# Allegro board 1010260-900-0012_PCB_Rev-a.brd (continued)
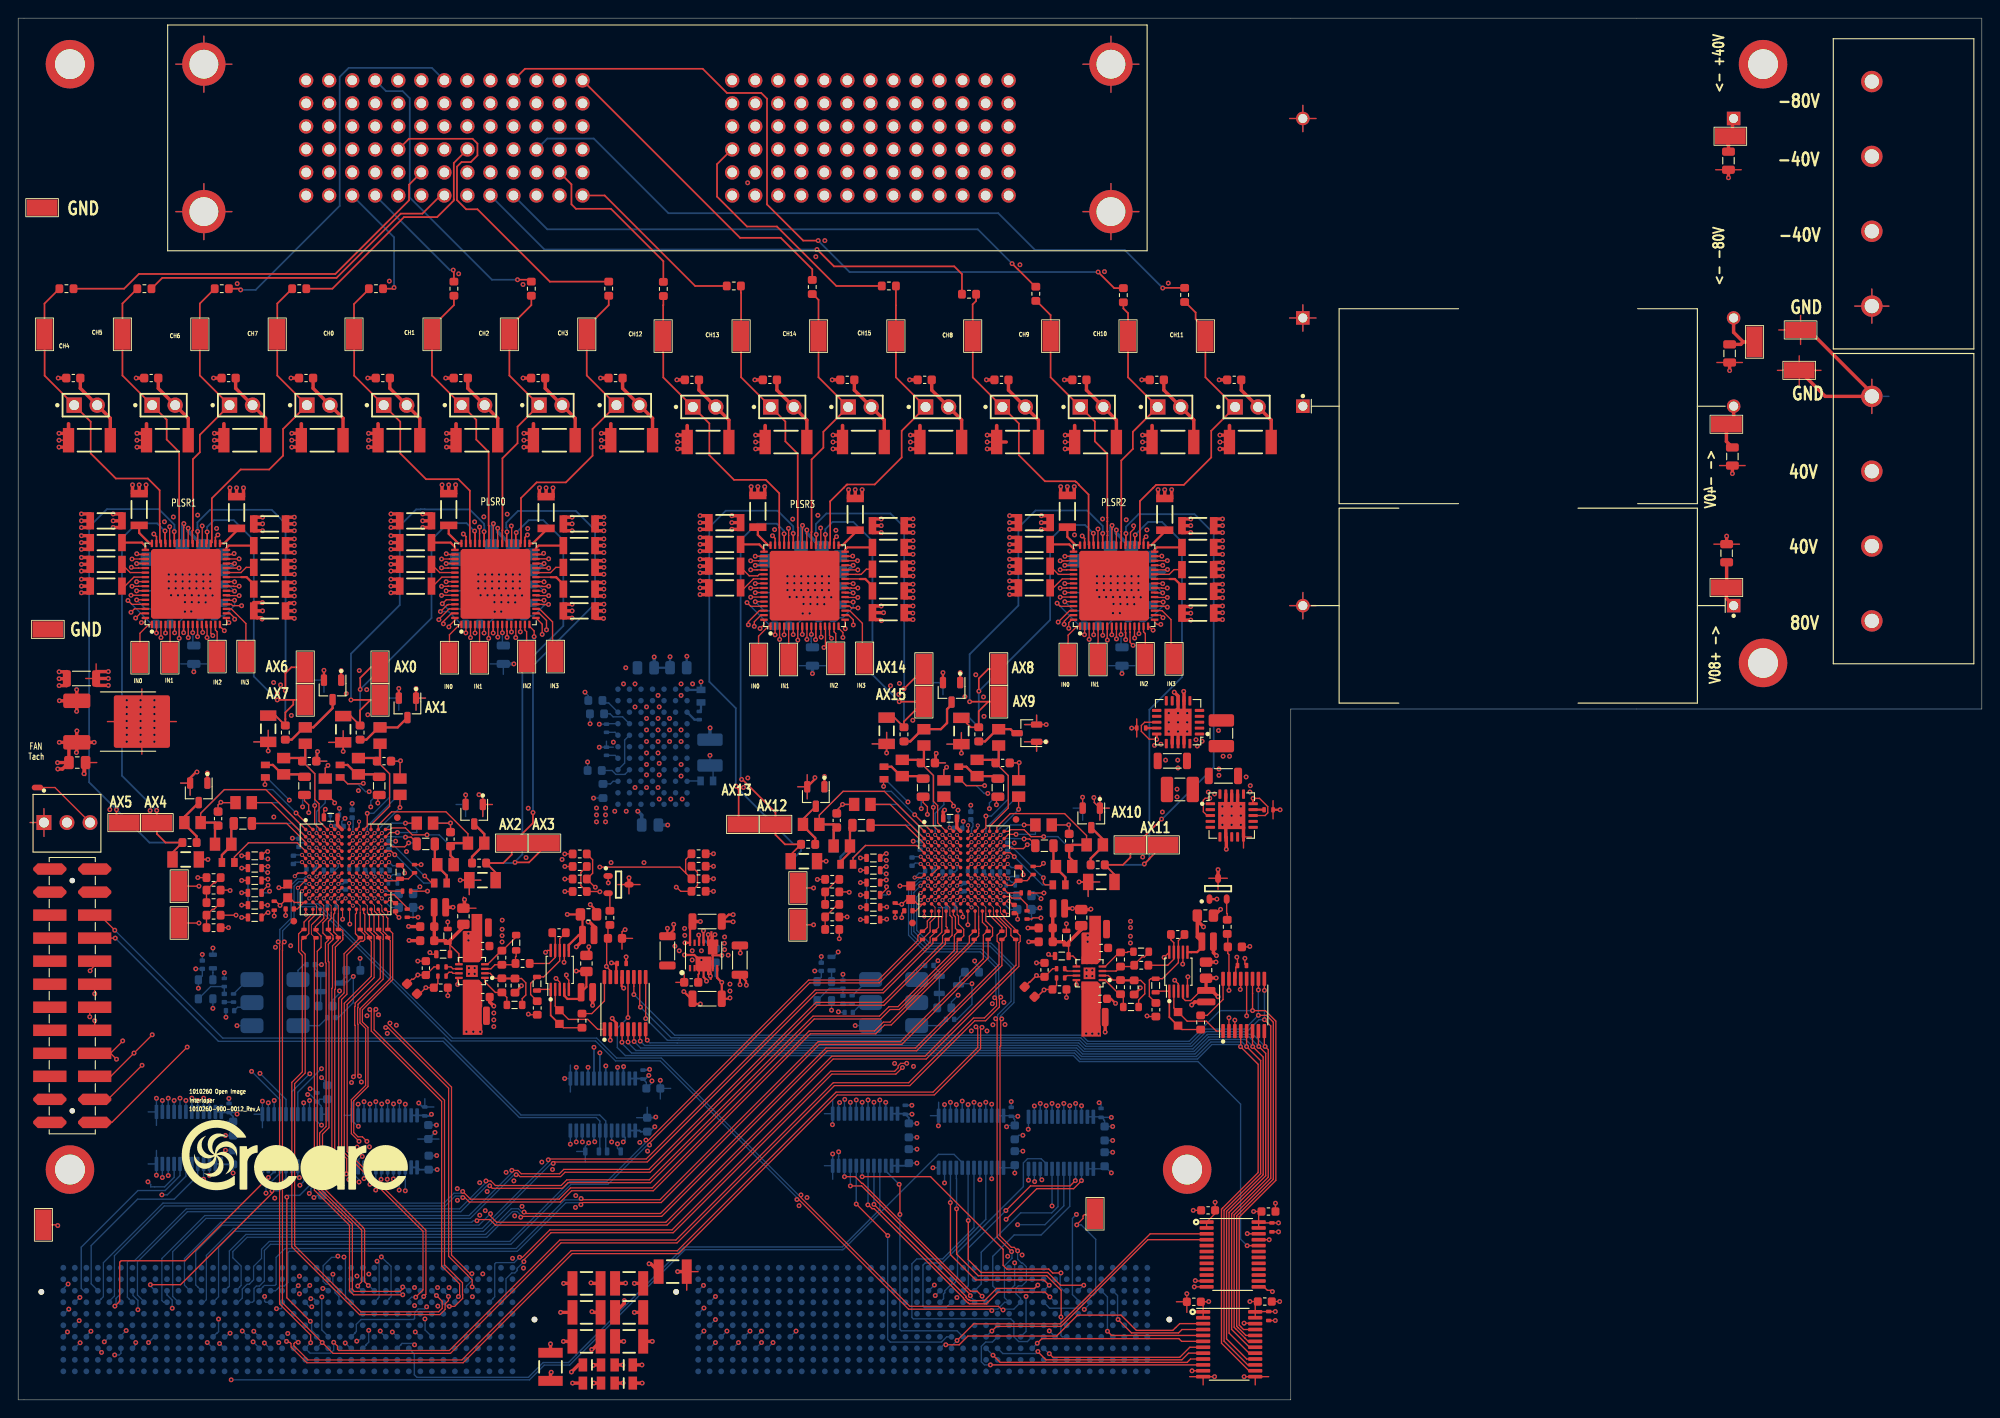
[diagram p0: board, top side]
## Footprints (pads in the part's own frame, mm; a bottom-side part is the same pattern mirrored in y, then rotated) (continued)
SAMTEC_TSM-112-02-L-DV-LC
  round 0.595 hole 1.19 unplated: (-12.7,0) (12.7,0)
  rrect 1.27x3.68 smd: 1(13.97,2.475) 2(13.97,-2.475) 3(11.43,2.475) 4(11.43,-2.475) 21(-11.43,2.475) 22(-11.43,-2.475) 23(-13.97,2.475) 24(-13.97,-2.475)
  rect 1.27x3.68 smd: 5(8.89,2.475) 6(8.89,-2.475) 7(6.35,2.475) 8(6.35,-2.475) 9(3.81,2.475) 10(3.81,-2.475) 11(1.27,2.475) 12(1.27,-2.475) 13(-1.27,2.475) 14(-1.27,-2.475) 15(-3.81,2.475) 16(-3.81,-2.475) 17(-6.35,2.475) 18(-6.35,-2.475) 19(-8.89,2.475) 20(-8.89,-2.475)
SOP10P50_300X490X110L55X22N
  rrect 0.28x1.47 smd: 1(-1,-2.15) 2(-0.5,-2.15) 3(0,-2.15) 4(0.5,-2.15) 5(1,-2.15) 6(1,2.15) 7(0.5,2.15) 8(0,2.15) 9(-0.5,2.15) 10(-1,2.15)
SOP16P65_500X640X120L60X24N
  rrect 0.41x1.56 smd: 1(-2.275,-2.88) 2(-1.625,-2.88) 3(-0.975,-2.88) 4(-0.325,-2.88) 5(0.325,-2.88) 6(0.975,-2.88) 7(1.625,-2.88) 8(2.275,-2.88) 9(2.275,2.88) 10(1.625,2.88) 11(0.975,2.88) 12(0.325,2.88) 13(-0.325,2.88) 14(-0.975,2.88) 15(-1.625,2.88) 16(-2.275,2.88)
SOP24P65_780X640X120L62X24N
  rrect 0.41x1.57 smd: 1(-3.575,-2.87) 2(-2.925,-2.87) 3(-2.275,-2.87) 4(-1.625,-2.87) 5(-0.975,-2.87) 6(-0.325,-2.87) 7(0.325,-2.87) 8(0.975,-2.87) 9(1.625,-2.87) 10(2.275,-2.87) 11(2.925,-2.87) 12(3.575,-2.87) 13(3.575,2.87) 14(2.925,2.87) 15(2.275,2.87) 16(1.625,2.87) 17(0.975,2.87) 18(0.325,2.87) 19(-0.325,2.87) 20(-0.975,2.87) 21(-1.625,2.87) 22(-2.275,2.87) 23(-2.925,2.87) 24(-3.575,2.87)
SOT23-3P95_237X111L42X43N
  rrect 0.6x1.23 smd: 1(-0.95,-1.06) 2(0.95,-1.06) 3(0,1.06)
SOT23-3P95_240X120L25X48N
  rrect 0.69x1.26 smd: 1(-0.95,-1.075) 2(0.95,-1.075) 3(0,1.075)
SOT95P237X112-3N
  oval 1.05x0.65 smd: 1(-1.15,0.95) 2(-1.15,-0.95) 3(1.15,0)
SULLINS_PBC02SAAN
  rect 1.7x1.7 hole 1.1: 1(0,0)
  round 1.7 hole 1.1: 2(2.54,0)
TE_1546927-4
  round 2.37 hole 1.58: 1(-12.383,3.497) 2(-4.128,3.497) 3(4.128,3.497) 4(12.383,3.497)
TO229P990X238-3_4N
  rrect 1.6x3 smd: 1(-2.29,-4.39) 3(2.29,-4.39)
  rrect 5.8x6.2 smd: 4(0,2.79)
TP340X180N
  rect 3.4x1.8 smd: 1(0,0)
TP_B127X64
  oval 1.27x0.64 smd: 1(0,0)

## Nets
1.8V: C5.1 C6.1 C7.2 C9.2 C13.2 C15.2 C21.1 C22.1 C23.2 C25.2 C29.2 C67.1 C68.2 C69.2 C124.1 C125.2 C126.2 C279.2 C284.2 E1.2 E2.2 J2.E39 J2.F40 J2.G39 J2.H40 J3.E39 J3.F40 J3.G39 J3.H40 R44.1 R61.2 R123.1 R140.2 U1.1 U1.2 U2.1 U2.2 U3.1 U3.2 U4.1 U4.2 U5.1 U5.2 U6.1 U6.2 U7.1 U7.2 U8.1 U8.2 U9.1 U9.2 U10.G4 U10.G11 U23.G4 U23.G11
1.8VA: C73.1 C74.2 C75.2 C76.2 C77.2 C131.1 C132.2 C133.2 C134.2 C135.2 C227.1 U10.F1 U10.F3 U10.F5 U10.F8 U10.F10 U10.F12 U10.G2 U10.G9 U20.1 U23.F1 U23.F3 U23.F5 U23.F8 U23.F10 U23.F12 U23.G2 U23.G9 U33.1 U41.1 U41.3(SENSE) U41.20
3.3V: C3.1 C4.1 C8.1 C10.1 C11.1 C12.1 C14.1 C16.1 C19.1 C20.1 C24.1 C26.1 C27.1 C28.1 C30.1 C83.2 C142.2 C150.2 C172.2 C191.2 C230.1 C237.1 C252.2 C265.2 C266.2 C280.1 C281.1 C282.1 C283.1 C285.1 C286.1 C287.1 J2.C39 J2.D32 J2.D36 J2.D38 J2.D40 J3.C39 J3.D32 J3.D36 J3.D38 J3.D40 R67.1 R145.1 U1.23 U1.24(V_CCB#24) U2.23 U2.24(V_CCB#24) U3.23 U3.24(V_CCB#24) U4.23 U4.24(V_CCB#24) U5.23 U5.24(V_CCB#24) U6.23 U6.24(V_CCB#24) U7.23 U7.24(V_CCB#24) U8.23 U8.24(V_CCB#24) U9.23 U9.24(V_CCB#24) U21.14 U34.14 U36.10 U37.10 U38.10 U39.10 U41.13 U41.15 U41.16 U44.13 U44.15 U44.16 Y1.4(VCC) Y2.4(VCC)
3VA: C63.2 C78.1 C79.2 C80.2 C81.2 C121.2 C138.1 C139.2 C140.2 C141.2 C235.1 U10.E2 U10.E3 U10.E4 U10.E9 U10.E10 U10.E11 U10.J6 U10.K6 U23.E2 U23.E3 U23.E4 U23.E9 U23.E10 U23.E11 U23.J6 U23.K6 U44.1 U44.3(SENSE) U44.20
5V: C147.2 C151.2 C185.2 C204.2 C229.1 R161.1 R162.1 R165.1 R166.1 U36.21 U36.60 U37.21 U37.60 U38.21 U38.60 U39.21 U39.60 U42.3(VOUT)
5VA: C136.1 C137.1 C239.1 C240.1 C243.1 C268.1 C269.1 C270.1 C273.1 C274.1 U11.5 U11.6 U11.7 U11.8 U11.12 U19.5 U19.6 U19.7 U19.8 U19.12 U22.5 U22.6 U22.10 U35.5 U35.6 U35.10 U43.1
10V: C152.2 C171.2 C190.2 C225.1 C234.1 C251.2 R192.2 U36.23 U37.23 U38.23 U39.23 U40.A1 U40.A2 U40.B1 U40.B2 U43.10 U43.12(S\H\D\N\P\) U43.14
12V: C1.1 C2.1 C17.1 C18.1 C223.1 C224.1 C228.1 J2.C35 J2.C37 J3.C35 J3.C37 J23.2 U40.A5 U40.A6 U40.A7 U40.B7 U40.K7 U40.L5 U40.L6 U40.L7 U42.1
40V: C149.1 C154.1 C156.2 C158.2 C164.2 C174.2 C187.1 C189.2 C193.2 C206.1 C246.1 C250.2 C254.2 J21.2 J21.3 R205.2 TP61.1(TP) U36.34 U36.47 U37.34 U37.47 U38.34 U38.47 U39.34 U39.47
80V: C148.1 C153.1 C155.2 C157.2 C162.2 C173.2 C186.1 C188.2 C192.2 C205.1 C247.1 C248.2 C253.2 J21.1 R204.2 TP62.1(TP) U36.24 U36.25 U36.56 U36.57 U37.24 U37.25 U37.56 U37.57 U38.24 U38.25 U38.56 U38.57 U39.24 U39.25 U39.56 U39.57
-5VA: C232.2 C233.2 C241.1 C267.1 C271.1 C272.1 C275.1 C276.1 C278.1 C292.1 U11.13 U11.14 U11.15 U11.16 U19.13 U19.14 U19.15 U19.16 U22.4 U35.4 U43.7
-10V: C160.2 C179.2 C198.2 C226.2 C236.2 C259.2 R193.2 U36.58 U37.58 U38.58 U39.58 U40.G1 U40.G2 U40.H1 U40.H2 U40.J2 U43.6 U43.9
-40V: C168.2 C169.2 C170.2 C178.2 C182.2 C184.2 C197.2 C201.2 C203.2 C245.2 C258.2 C262.2 C264.2 J22.2 J22.3 R206.2 TP60.1(TP) U36.31 U36.50 U37.31 U37.50 U38.31 U38.50 U39.31 U39.50
-80V: C163.2 C165.2 C166.2 C167.2 C177.2 C180.2 C181.2 C183.2 C196.2 C199.2 C200.2 C202.2 C249.2 C257.2 C260.2 C261.2 C263.2 J22.4 R207.2 TP59.1(TP) U36.28 U36.29 U36.30 U36.51 U36.52 U36.53 U37.28 U37.29 U37.30 U37.51 U37.52 U37.53 U38.28 U38.29 U38.30 U38.51 U38.52 U38.53 U39.28 U39.29 U39.30 U39.51 U39.52 U39.53
GND_SIGNAL: C1.2 C2.2 C3.2 C4.2 C5.2 C6.2 C7.1 C8.2 C9.1 C10.2 C11.2 C12.2 C13.1 C14.2 C15.1 C16.2 C17.2 C18.2 C19.2 C20.2 C21.2 C22.2 C23.1 C24.2 C25.1 C26.2 C27.2 C28.2 C29.1 C30.2 C33.1 C34.1 C36.1 C38.1 C41.1 C42.1 C44.1 C46.1 C50.1 C51.1 C53.1 C54.1 C57.1 C59.1 C61.1 C62.1 C64.1 C65.1 C66.2 C67.2 C68.1 C69.1 C70.1 C71.2 C73.2 C74.1 C75.1 C76.1 C77.1 C78.2 C79.1 C80.1 C81.1 C83.1 C85.2 C87.2 C88.1 C91.1 C92.1 C94.1 C96.1 C99.1 C100.1 C102.1 C104.1 C108.1 C109.1 C111.1 C112.1 C115.1 C117.1 C119.1 C120.1 C122.1 C123.2 C124.2 C125.1 C126.1 C127.2 C129.1 C130.1 C131.2 C132.1 C133.1 C134.1 C135.1 C136.2 C137.2 C138.2 C139.1 C140.1 C141.1 C142.1 C145.2 C147.1 C148.2 C149.2 C150.1 C151.1 C152.1 C153.2 C154.2 C159.1 C160.1 C161.1 C163.1 C167.1 C170.1 C171.1 C172.1 C175.1 C176.1 C179.1 C180.1 C183.1 C184.1 C185.1 C186.2 C187.2 C190.1 C191.1 C194.1 C195.1 C198.1 C199.1 C202.1 C203.1 C204.1 C205.2 C206.2 C207.2 C208.2 C209.2 C210.2 C211.2 C212.2 C213.2 C214.2 C215.2 C216.2 C217.2 C218.2 C219.2 C220.2 C221.2 C222.2 C223.2 C224.2 C225.2 C226.1 C227.2 C228.2 C229.2 C230.2 C231.2 C233.1 C234.2 C235.2 C236.1 C237.2 C238.2 C240.2 C241.2 C242.2 C243.2 C244.1 C245.1 C246.2 C247.2 C249.1 C251.1 C252.1 C255.1 C256.1 C259.1 C260.1 C263.1 C264.1 C265.1 C266.1 C267.2 C268.2 C269.2 C270.2 C271.2 C272.2 C273.2 C274.2 C275.2 C276.2 C277.2 C278.2 C279.1 C280.2 C281.2 C282.2 C283.2 C284.1 C285.2 C286.2 C287.2 C292.2 C293.2 C294.1 C295.1 C296.2 C297.2 C298.1 C299.1 C302.1 C303.1 D3.1 D3.2(C2) D4.1 D4.2(C2) D5.1 D5.2(C2) D6.1 D6.2(C2) D7.1 D7.2(C2) D8.1 D8.2(C2) D9.1 D9.2(C2) D10.1 D10.2(C2) D11.1 D11.2(C2) D12.1 D12.2(C2) D13.1 D13.2(C2) D14.1 D14.2(C2) D15.1 D15.2(C2) D16.1 D16.2(C2) D17.1 D17.2(C2) D18.1 D18.2(C2) J2.C34 J2.D35 J3.C34 J3.D35 J4.AA1 J4.AA6 J4.C3 J4.F1 J4.F6 J4.J3 J4.M1 J4.M6 J4.MT1 J4.MT2 J4.MT3 J4.MT4 J4.R3 J4.U1 J4.U6 J4.X3 J21.4 J22.1 J23.1 MTG1.1(TP) MTG2.1(TP) MTG3.1(TP) MTG4.1(TP) MTG5.1(TP) R6.1 R7.1 R14.1 R16.1 R24.1 R25.1 R34.1 R35.1 R45.1 R56.1 R58.1 R59.1 R68.1 R69.1 R70.1 R72.1 R73.1 R74.1 R75.1 R76.1 R77.1 R78.1 R79.1 R85.1 R86.1 R93.1 R95.1 R103.1 R104.1 R113.1 R114.1 R124.1 R134.1 R136.1 R137.1 R138.1 R139.1 R147.1 R148.1 R149.1 R151.1 R152.1 R153.1 R154.1 R155.1 R156.1 R157.1 R158.1 R159.1 R160.1 R163.1 R164.1 R171.1 R172.1 R173.1 R174.1 R179.1 R180.1 R181.1 R182.1 R187.1 R188.1 R189.1 R190.1 R194.1 R195.1 R200.1 R201.1 R202.1 R203.1 R204.1 R205.1 R206.1 R207.1 R208.1 R209.1 R210.2 R211.2 R212.1 R213.1 T1.1 T2.1 TP55.1(TP) TP56.1(TP) TP57.1(TP) TP58.1(TP) U1.11 U1.12 U1.13 U1.22 U2.11 U2.12 U2.13 U2.22 U3.11 U3.12 U3.13 U3.22 U4.11 U4.12 U4.13 U4.22 U5.11 U5.12 U5.13 U5.22 U6.11 U6.12 U6.13 U6.22 U7.11 U7.12 U7.13 U7.22 U8.11 U8.12 U8.13 U8.22 U9.11 U9.12 U9.13 U9.22 U10.B5 U10.B6 U10.B8 U10.C5 U10.C6 U10.C7 U10.C8 U10.D5 U10.D6 U10.D7 U10.D8 U10.E1 U10.E5 U10.E6 U10.E7 U10.E8 U10.E12 U10.F2 U10.F4 U10.F6 U10.F7 U10.F9 U10.F11 U10.G1 U10.G3 U10.G5 U10.G6 U10.G7 U10.G8 U10.G10 U10.G12 U10.H3 U10.H4 U10.H5 U10.H6 U10.J4 U10.K1 U10.K2 U10.K4 U10.M1 U10.M12 U11.17 U19.17 U20.3 U21.2 U21.3 U21.13 U22.3 U22.7 U23.B5 U23.B6 U23.B8 U23.C5 U23.C6 U23.C7 U23.C8 U23.D5 U23.D6 U23.D7 U23.D8 U23.E1 U23.E5 U23.E6 U23.E7 U23.E8 U23.E12 U23.F2 U23.F4 U23.F6 U23.F7 U23.F9 U23.F11 U23.G1 U23.G3 U23.G5 U23.G6 U23.G7 U23.G8 U23.G10 U23.G12 U23.H3 U23.H4 U23.H5 U23.H6 U23.J4 U23.K1 U23.K2 U23.K4 U23.M1 U23.M12 U33.3 U34.2 U34.3 U34.13 U35.3 U35.7 U36.9 U36.22 U36.37 U36.44 U36.59 U36.65(V_SUB) U37.9 U37.22 U37.37 U37.44 U37.59 U37.65(V_SUB) U38.9 U38.22 U38.37 U38.44 U38.59 U38.65(V_SUB) U39.9 U39.22 U39.37 U39.44 U39.59 U39.65(V_SUB) U40.A3 U40.A4 U40.B3 U40.B4 U40.B5 U40.B6 U40.C2 U40.C3 U40.C4 U40.C5 U40.C6 U40.D1 U40.D2 U40.D3 U40.D4 U40.D5 U40.D7 U40.E1 U40.E2 U40.E3 U40.E4 U40.E5 U40.F1 U40.F2 U40.F5 U40.F6 U40.F7 U40.G3 U40.G4 U40.G5 U40.H3 U40.H4 U40.H5 U40.J3 U40.J4 U40.J5 U40.J6 U40.K1 U40.K2 U40.K3 U40.K4 U40.K5 U40.K6 U40.L1 U40.L2(V_OUT2P#L2) U40.L3 U40.L4 U41.7 U41.10 U41.17 U41.18 U41.19 U41.21 U42.4 U43.4 U43.5 U44.7 U44.8 U44.17 U44.18 U44.19 U44.21 Y1.2 Y2.2
AFE0_CSN: J1.22 R142.2
AFE0_DATA0N: J3.G16 R1.2 U10.M11
AFE0_DATA0P: J3.G15 R1.1 U10.L11
AFE0_DATA1N: J3.G13 R8.2 U10.M10
AFE0_DATA1P: J3.G12 R8.1 U10.L10
AFE0_DATA2N: J3.G10 R13.2 U10.M9
AFE0_DATA2P: J3.G9 R13.1 U10.L9
AFE0_DATA3N: J3.H20 R18.2 U10.M8
AFE0_DATA3P: J3.H19 R18.1 U10.L8
AFE0_DATA4N: J3.H17 R23.2 U10.M5
AFE0_DATA4P: J3.H16 R23.1 U10.L5
AFE0_DATA5N: J3.H14 R28.2 U10.M4
AFE0_DATA5P: J3.H13 R28.1 U10.L4
AFE0_DATA6N: J3.H11 R33.2 U10.M3
AFE0_DATA6P: J3.H10 R33.1 U10.L3
AFE0_DATA7N: J3.H8 R38.1 U10.L2
AFE0_DATA7P: J3.H7 R38.2 U10.M2
AFE0_DCON: J3.H5 U10.M6
AFE0_DCOP: J3.H4 U10.L6
AFE0_FCON: J3.G7 U10.M7
AFE0_FCOP: J3.G6 U10.L7
AFE1_CSN: J1.24 R63.2
AFE1_DATA0N: J3.H29 R80.1 U23.L11
AFE1_DATA0P: J3.H28 R80.2 U23.M11
AFE1_DATA1N: J3.H26 R87.2 U23.M10
AFE1_DATA1P: J3.H25 R87.1 U23.L10
AFE1_DATA2N: J3.H23 R92.2 U23.M9
AFE1_DATA2P: J3.H22 R92.1 U23.L9
AFE1_DATA3N: J3.G37 R97.2 U23.M8
AFE1_DATA3P: J3.G36 R97.1 U23.L8
AFE1_DATA4N: J3.G34 R102.2 U23.M5
AFE1_DATA4P: J3.G33 R102.1 U23.L5
AFE1_DATA5N: J3.G31 R107.2 U23.M4
AFE1_DATA5P: J3.G30 R107.1 U23.L4
AFE1_DATA6N: J3.G28 R112.2 U23.M3
AFE1_DATA6P: J3.G27 R112.1 U23.L3
AFE1_DATA7N: J3.G25 R117.2 U23.M2
AFE1_DATA7P: J3.G24 R117.1 U23.L2
AFE1_DCON: J3.G3 U23.M6
AFE1_DCOP: J3.G2 U23.L6
AFE1_FCON: J3.D21 U23.M7
AFE1_FCOP: J3.D20 U23.L7
AFE_CLKN: J2.G13 U10.H1 U23.H1
AFE_CLKP: J2.G12 U10.J1 U23.J1
AFE_SCK: J1.20 R65.2 R144.2
AFE_SDIO: J1.18 R66.2 R146.2
AFE_TRIGN: J3.C19 U10.H2(TX_TRIG-) U23.H2(TX_TRIG-)
AFE_TRIGP: J3.C18 U10.J2 U23.J2
AX0: R2.1 R6.2 TP3.1(TP) U37.45
AX1: R11.1 R16.2 TP5.1(TP) U37.43
AX2: R20.1 R24.2 TP7.1(TP) U37.38
AX3: R29.1 R34.2 TP9.1(TP) U37.36
AX4: R3.1 R7.2 TP4.1(TP) U36.45
AX5: R12.1 R14.2 TP6.1(TP) U36.43
AX6: R21.1 R25.2 TP8.1(TP) U36.38
AX7: R30.1 R35.2 TP10.1(TP) U36.36
AX8: R81.1 R85.2 TP13.1(TP) U38.45
AX9: R90.1 R95.2 TP15.1(TP) U38.43
AX10: R99.1 R103.2 TP17.1(TP) U38.38
AX11: R108.1 R113.2 TP19.1(TP) U38.36
AX12: R82.1 R86.2 TP14.1(TP) U39.45
AX13: R91.1 R93.2 TP16.1(TP) U39.43
AX14: R100.1 R104.2 TP18.1(TP) U39.38
AX15: R109.1 R114.2 TP20.1(TP) U39.36
CH0: J4.C1 R167.2
CH1: J4.D1 R168.2
CH2: J4.D6 R169.2
CH3: J4.E3 R170.2
CH4: J4.F2 R175.2
CH5: J4.G1 R176.2
CH6: J4.G6 R177.2
CH7: J4.H3 R178.2
CH8: J4.J1 R183.2
CH9: J4.K1 R184.2
CH10: J4.K6 R185.2
CH11: J4.L3 R186.2
CH12: J4.M2 R196.2
CH13: J4.N1 R197.2
CH14: J4.N6 R198.2
CH15: J4.P3 R199.2
DAC0_CSN: J2.D15 U1.4
DAC0_CSN_3V3: U1.20 U21.12
DAC1_CSN: J2.C18 U1.3
DAC1_CSN_3V3: U1.21 U34.12
DAC_D0: J2.C19 U2.3
DAC_D0_3V3: U2.21 U21.11 U34.11
DAC_D1: J2.H4 U2.4
DAC_D1_3V3: U2.20 U21.10 U34.10
DAC_D2: J2.H5 U2.5
DAC_D2_3V3: U2.19 U21.9 U34.9
DAC_D3: J2.C11 U2.6
DAC_D3_3V3: U2.18 U21.8 U34.8
DAC_D4: J2.C10 U2.7
DAC_D4_3V3: U2.17 U21.7 U34.7
DAC_D5: J2.C14 U2.8
DAC_D5_3V3: U2.16 U21.6 U34.6
DAC_D6: J2.C15 U2.9
DAC_D6_3V3: U2.15 U21.5 U34.5
DAC_D7: J2.D14 U2.10
DAC_D7_3V3: U2.14 U21.4 U34.4
FAN_FREQ: J23.3 TP63.1(TP)
LI-A0: C31.2 C34.2 C35.1 U10.A9
LI-A1: C89.2 C92.2 C93.1 U23.A9
LI-B0: C39.2 C42.2 C43.1 U10.A10
LI-B1: C97.2 C100.2 C101.1 U23.A10
LI-C0: C47.2 C51.2 C52.1 U10.A11
LI-C1: C105.2 C109.2 C110.1 U23.A11
LI-D0: C55.2 C57.2 C58.1 U10.A12
LI-D1: C113.2 C115.2 C116.1 U23.A12
LI-E0: C32.2 C36.2 C37.1 U10.A1
LI-E1: C90.2 C94.2 C95.1 U23.A1
LI-F0: C40.2 C44.2 C45.1 U10.A2
LI-F1: C98.2 C102.2 C103.1 U23.A2
LI-G0: C48.2 C49.1 C53.2 U10.A3
LI-G1: C106.2 C107.1 C111.2 U23.A3
LI-H0: C56.2 C59.2 C60.1 U10.A4
LI-H1: C114.2 C117.2 C118.1 U23.A4
LO-A0: C35.2 R4.1 R5.1
LO-A1: C93.2 R83.1 R84.1
LO-B0: C43.2 R9.1 R10.1
LO-B1: C101.2 R88.1 R89.1
LO-C0: C52.2 R15.1 R17.1
LO-C1: C110.2 R94.1 R96.1
LO-D0: C58.2 R19.1 R22.1
LO-D1: C116.2 R98.1 R101.1
LO-E0: C37.2 R26.1 R27.1
LO-E1: C95.2 R105.1 R106.1
LO-F0: C45.2 R31.1 R32.1
LO-F1: C103.2 R110.1 R111.1
LO-G0: C49.2 R36.1 R37.1
LO-G1: C107.2 R115.1 R116.1
LO-H0: C60.2 R39.1 R40.1
LO-H1: C118.2 R118.1 R119.1
PLSR0_CLK: J3.G21 U9.8
PLSR0_CLK_3V3: U9.16 U37.8
PLSR0_NEG0: J3.D11 U7.5
PLSR0_NEG0_3V3: U7.19 U37.63
PLSR0_NEG1: J3.D8 U8.10
PLSR0_NEG1_3V3: U8.14 U37.3
PLSR0_NEG2: J3.C15 U8.7
PLSR0_NEG2_3V3: U8.17 U37.13
PLSR0_NEG3: J3.C14 U8.4
PLSR0_NEG3_3V3: U8.20 U37.17
PLSR0_OTPN: J1.10 U37.20
PLSR0_POS0: J3.D18 U7.4
PLSR0_POS0_3V3: U7.20 U37.64
PLSR0_POS1: J3.D17 U8.9
PLSR0_POS1_3V3: U8.15 U37.4
PLSR0_POS2: J3.D15 U8.6
PLSR0_POS2_3V3: U8.18 U37.14
PLSR0_POS3: J3.D12 U8.3
PLSR0_POS3_3V3: U8.21 U37.18
PLSR0_SEL0: J3.D9 U7.6
PLSR0_SEL0_3V3: U7.18 U37.62
PLSR0_SEL1: J3.D14 U7.3
PLSR0_SEL1_3V3: U7.21 U37.2
PLSR0_SEL2: J3.G19 U8.8
PLSR0_SEL2_3V3: U8.16 U37.12
PLSR0_SEL3: J3.G18 U8.5
PLSR0_SEL3_3V3: U8.19 U37.16
PLSR1_CLK: J3.D26 U9.10
PLSR1_CLK_3V3: U9.14 U36.8
PLSR1_NEG0: J3.H31 U6.9
PLSR1_NEG0_3V3: U6.15 U36.63
PLSR1_NEG1: J3.C26 U6.6
PLSR1_NEG1_3V3: U6.18 U36.3
PLSR1_NEG2: J3.C23 U6.3
PLSR1_NEG2_3V3: U6.21 U36.13
PLSR1_NEG3: J3.C22 U7.9
PLSR1_NEG3_3V3: U7.15 U36.17
PLSR1_OTPN: J1.12 U36.20
PLSR1_POS0: J3.H38 U6.8
PLSR1_POS0_3V3: U6.16 U36.64
PLSR1_POS1: J3.H37 U6.5
PLSR1_POS1_3V3: U6.19 U36.4
PLSR1_POS2: J3.H35 U7.10
PLSR1_POS2_3V3: U7.14 U36.14
PLSR1_POS3: J3.H32 U7.7
PLSR1_POS3_3V3: U7.17 U36.18
PLSR1_SEL0: J3.C27 U6.10
PLSR1_SEL0_3V3: U6.14 U36.62
PLSR1_SEL1: J3.H34 U6.7
PLSR1_SEL1_3V3: U6.17 U36.2
PLSR1_SEL2: J3.D24 U6.4
PLSR1_SEL2_3V3: U6.20 U36.12
PLSR1_SEL3: J3.D23 U7.8
PLSR1_SEL3_3V3: U7.16 U36.16
PLSR2_CLK: J2.D9 U9.3
PLSR2_CLK_3V3: U9.21 U38.8
PLSR2_NEG0: J2.G6 U5.5
PLSR2_NEG0_3V3: U5.19 U38.63
PLSR2_NEG1: J2.G7 U3.10
PLSR2_NEG1_3V3: U3.14 U38.3
PLSR2_NEG2: J2.H16 U3.7
PLSR2_NEG2_3V3: U3.17 U38.13
PLSR2_NEG3: J2.H17 U3.4
PLSR2_NEG3_3V3: U3.20 U38.17
PLSR2_OTPN: J1.14 U38.20
PLSR2_POS0: J2.G18 U5.4
PLSR2_POS0_3V3: U5.20 U38.64
PLSR2_POS1: J2.G19 U3.9
PLSR2_POS1_3V3: U3.15 U38.4
PLSR2_POS2: J2.H19 U3.6
PLSR2_POS2_3V3: U3.18 U38.14
PLSR2_POS3: J2.H20 U3.3
PLSR2_POS3_3V3: U3.21 U38.18
PLSR2_SEL0: J2.D11 U5.6
PLSR2_SEL0_3V3: U5.18 U38.62
PLSR2_SEL1: J2.D12 U5.3
PLSR2_SEL1_3V3: U5.21 U38.2
PLSR2_SEL2: J2.H13 U3.8
PLSR2_SEL2_3V3: U3.16 U38.12
PLSR2_SEL3: J2.H14 U3.5
PLSR2_SEL3_3V3: U3.19 U38.16
PLSR3_CLK: J3.C11 U9.5
PLSR3_CLK_3V3: U9.19 U39.8
PLSR3_NEG0: J2.G16 U4.9
PLSR3_NEG0_3V3: U4.15 U39.63
PLSR3_NEG1: J2.G9 U4.6
PLSR3_NEG1_3V3: U4.18 U39.3
PLSR3_NEG2: J2.D17 U4.3
PLSR3_NEG2_3V3: U4.21 U39.13
PLSR3_NEG3: J2.D8 U5.9
PLSR3_NEG3_3V3: U5.15 U39.17
PLSR3_OTPN: J1.16 U39.20
PLSR3_POS0: J2.D18 U4.8
PLSR3_POS0_3V3: U4.16 U39.64
PLSR3_POS1: J2.H11 U4.5
PLSR3_POS1_3V3: U4.19 U39.4
PLSR3_POS2: J2.H10 U5.10
PLSR3_POS2_3V3: U5.14 U39.14
PLSR3_POS3: J2.H7 U5.7
PLSR3_POS3_3V3: U5.17 U39.18
PLSR3_SEL0: J2.G15 U4.10
PLSR3_SEL0_3V3: U4.14 U39.62
PLSR3_SEL1: J2.H8 U4.7
PLSR3_SEL1_3V3: U4.17 U39.2
PLSR3_SEL2: J3.C10 U4.4
PLSR3_SEL2_3V3: U4.20 U39.12
PLSR3_SEL3: J3.D27 U5.8
PLSR3_SEL3_3V3: U5.16 U39.16
PLSR_OEN: J1.8 R213.2 U9.7
PLSR_OEN_3V3: R214.1 R217.1 R219.1 R221.1 U9.17
PLSR_REN: J1.6 R212.2 U9.6
PLSR_REN_3V3: R215.1 R216.1 R218.1 R220.1 U9.18
TX0: J5.1 R167.1 TP39.1(TP) U37.46
TX1: J6.1 R168.1 TP40.1(TP) U37.42
TX2: J7.1 R169.1 TP41.1(TP) U37.39
TX3: J8.1 R170.1 TP42.1(TP) U37.35
TX4: J9.1 R175.1 TP44.1(TP) U36.46
TX5: J10.1 R176.1 TP45.1(TP) U36.42
TX6: J11.1 R177.1 TP43.1(TP) U36.39
TX7: J12.1 R178.1 TP46.1(TP) U36.35
TX8: J13.1 R183.1 TP47.1(TP) U38.46
TX9: J14.1 R184.1 TP48.1(TP) U38.42
TX10: J15.1 R185.1 TP49.1(TP) U38.39
TX11: J16.1 R186.1 TP50.1(TP) U38.35
TX12: J17.1 R196.1 TP51.1(TP) U39.46
TX13: J18.1 R197.1 TP52.1(TP) U39.42
TX14: J19.1 R198.1 TP53.1(TP) U39.39
TX15: J20.1 R199.1 TP54.1(TP) U39.35
VOCM_1: C277.1 C293.1 C294.2 C295.2 R47.1 R59.2 U19.9(VOCM)
VOCM_2: C296.1 C297.1 C298.2 C299.2 R60.1 R136.2 U11.9(VOCM)
N15280754: C207.1 J5.2 R171.2
N15319419: C208.1 J6.2 R172.2
N15319634: C209.1 J7.2 R173.2
N15319851: C210.1 J8.2 R174.2
N15320070: C211.1 J9.2 R179.2
N15320925: C212.1 J10.2 R180.2
N15321150: C213.1 J11.2 R181.2
N15321637: C214.1 J12.2 R182.2
N15321862: C215.1 J13.2 R187.2
N15322192: C216.1 J14.2 R188.2
N15322421: C217.1 J15.2 R189.2
N15322652: C218.1 J16.2 R190.2
N15322887: C219.1 J17.2 R200.2
N15323122: C220.1 J18.2 R201.2
N15323363: C221.1 J19.2 R202.2
N15323604: C222.1 J20.2 R203.2
N15395091: C231.1 U41.14
N15396273: C238.1 U44.14
N15417654: R191.1 U40.C1
N15417658: R191.2 R192.1
N15417802: U40.E6 U40.H7
N15417886: R193.1 U40.J1
N15417946: R194.2 U40.E7
N15417966: R195.2 U40.G7
N15746758: C33.2 U10.B9
N15746798: R4.2 U10.C9
N15746886: R5.2 U10.D9
N15747116: C38.2 U10.B10
N15747156: R9.2 U10.C10
N15747244: R10.2 U10.D10
N15747474: C41.2 U10.B11
N15747514: R15.2 U10.C11
N15747602: R17.2 U10.D11
N15747832: C46.2 U10.B12
N15747872: R19.2 U10.C12
N15747960: R22.2 U10.D12
N15748194: C50.2 U10.B1
N15748234: R26.2 U10.C1
N15748322: R27.2 U10.D1
N15748552: C54.2 U10.B2
N15748592: R31.2 U10.C2
N15748680: R32.2 U10.D2
N15748910: C61.2 U10.B3
N15748950: R36.2 U10.C3
N15749038: R37.2 U10.D3
N15749268: C62.2 U10.B4
N15749308: R39.2 U10.C4
N15749344: R40.2 U10.D4
N15749364: R41.1 U10.J3
N15749416: R42.1 U10.K3
N15749484: TP11.1(TP) U10.J5
N15749496: R41.2 R43.1 R44.2
N15749914: C65.2 C66.1 C71.1 E1.1 U10.L1 U10.L12
N15750422: C64.2 C288.1 R51.2 U10.A7
N15750464: R56.2 U10.K11
N15750500: R58.2 U10.J11
N15750632: C70.2 C288.2 R54.2 U10.A8
N15751046: R52.1 U21.16
N15751050: C72.1 R52.2 R57.1 U22.1
N15751228: R49.2 R53.1 R57.2 U22.8
N15751240: R50.1 R53.2 U22.9(OUT2)
N15751372: C72.2 U21.1 U22.2
N15751666: R61.1 R63.1 U10.H12
N15751718: C84.2 D1.3(CC2) R62.1 U10.J7
N15751742: R62.2 U10.K8
N15751846: C86.2 D1.1 D1.2 R64.1 U10.K7
N15751854: R64.2 U10.J8
N15751858: R65.1 U10.K12
N15751920: R66.1 U10.J12
N15752090: R68.2 U10.H11
N15752156: R69.2 U10.H10
N15752236: R70.2 U10.H9
N15752296: R72.2 U10.H8
N15752346: R73.2 U10.H7
N15752408: R75.2 U10.K10
N15752474: R76.2 U10.J10
N15752544: R77.2 U10.K9
N15752612: R79.2 U10.A6
N15752644: R78.2 U10.J9
N15795370: C31.1 D11.3 R2.2
N15795374: C39.1 D12.3 R11.2
N15832696: C55.1 D14.3 R29.2
N15832706: C47.1 D13.3 R20.2
N15836066: TP12.1(TP) U10.K5
N15848135: R42.2 R43.2 R45.2
N15857516: C32.1 D15.3 R3.2
N15857738: C40.1 D16.3 R12.2
N15857964: C48.1 D17.3 R21.2
N15858186: C56.1 D18.3 R30.2
N15861144: C291.1 R46.2 R50.2 U19.3
N15861392: C302.2 R47.2 R48.2 R49.1 U21.15(V_REF)
N15864259: R67.2 Y1.1
N15864385: C82.2 R71.1
N15864463: R71.2 T1.3
N15864467: C84.1 T1.6
N15864531: C82.1 R74.2 Y1.3
N15864535: C85.1 T1.2
N15864587: C86.1 T1.4
N15894414: R48.1 U20.2(REF)
N15963021: TP26.1(TP) U37.5
N15963031: TP28.1(TP) U37.15
N15963035: TP30.1(TP) U37.19
N15963075: R162.2 U37.7
N15965806: R160.2 U37.61
N15979321: C63.1 U10.B7
N15986485: J3.G22 TP2.1(TP)
N15991050: R51.1 U19.10
N15991145: R54.1 U19.11
N15991982: C290.1 R55.2 R210.1 U19.2
N15999825: TP23.1(TP) U36.1
N15999843: TP25.1(TP) U36.5
N15999847: TP27.1(TP) U36.15
N15999851: TP29.1(TP) U36.19
N15999879: R159.2 U36.61
N15999931: R161.2 U36.7
N16009220: C89.1 D3.3 R81.2
N16009270: C90.1 D7.3 R82.2
N16009328: C91.2 U23.B9
N16009384: R83.2 U23.C9
N16009538: R84.2 U23.D9
N16009642: C96.2 U23.B10
N16009734: R88.2 U23.C10
N16009890: R89.2 U23.D10
N16009926: C97.1 D4.3 R90.2
N16009972: C98.1 D8.3 R91.2
N16010126: C99.2 U23.B11
N16010242: R94.2 U23.C11
N16010284: R96.2 U23.D11
N16010464: C104.2 U23.B12
N16010590: R98.2 U23.C12
N16010638: C105.1 D5.3 R99.2
N16010688: C106.1 D9.3 R100.2
N16010728: R101.2 U23.D12
N16010992: R105.2 U23.C1
N16011046: R106.2 U23.D1
N16011316: C112.2 U23.B2
N16011344: C113.1 D6.3 R108.2
N16011394: C114.1 D10.3 R109.2
N16011436: R110.2 U23.C2
N16011514: R111.2 U23.D2
N16011714: C119.2 U23.B3
N16011750: R115.2 U23.C3
N16011836: R116.2 U23.D3
N16011964: C120.2 U23.B4
N16011984: R118.2 U23.C4
N16012014: R119.2 U23.D4
N16012074: R120.1 U23.J3
N16012094: R120.2 R122.1 R123.2
N16012142: C121.1 U23.B7
N16012146: R121.1 U23.K3
N16012150: R121.2 R122.2 R124.2
N16012262: TP21.1(TP) U23.J5
N16012326: TP22.1(TP) U23.K5
N16012516: C303.2 R60.2 R127.2 R128.1 U34.15(V_REF)
N16012708: R127.1 U33.2(REF)
N16012888: R125.1 R132.2 U35.9(OUT2)
N16012964: C122.2 C123.1 C127.1 E2.1 U23.L1 U23.L12
N16013056: R131.1 U34.16
N16013060: C128.1 R131.2 R135.1 U35.1
N16013076: R128.2 R132.1 R135.2 U35.8
N16013452: C128.2 U34.1 U35.2
N16013654: R134.2 U23.K11
N16013710: R137.2 U23.J11
N16014570: R140.1 R142.1 U23.H12
N16014614: C144.2 D2.3(CC2) R141.1 U23.J7
N16014638: R141.2 U23.K8
N16014738: C146.2 D2.1 D2.2 R143.1 U23.K7
N16014746: R143.2 U23.J8
N16014750: R144.1 U23.K12
N16014802: R145.2 Y2.1
N16014818: R146.1 U23.J12
N16015030: R147.2 U23.H11
N16015120: R148.2 U23.H10
N16015270: R149.2 U23.H9
N16015338: C143.1 R153.2 Y2.3
N16015350: C143.2 R150.1
N16015354: R150.2 T2.3
N16015358: C144.1 T2.6
N16015370: R151.2 U23.H8
N16015442: R152.2 U23.H7
N16015490: C145.1 T2.2
N16015566: R154.2 U23.K10
N16015626: C146.1 T2.4
N16015638: R155.2 U23.J10
N16015698: R156.2 U23.K9
N16015790: R157.2 U23.J9
N16017913: TP32.1(TP) U38.1
N16017931: TP34.1(TP) U38.5
N16017935: TP36.1(TP) U38.15
N16017939: TP38.1(TP) U38.19
N16017967: R164.2 U38.61
N16018019: R166.2 U38.7
N16020693: TP31.1(TP) U39.1
N16020711: TP33.1(TP) U39.5
N16020715: TP35.1(TP) U39.15
N16020719: TP37.1(TP) U39.19
N16020747: R163.2 U39.61
N16020799: R165.2 U39.7
N16028190: J2.G10 TP1.1(TP)
N16051197: C239.2 U43.3
N16051229: C232.1 U43.11
N16072830: R138.2 U40.C7
N16072888: R139.2 U40.J7
N16073606: R208.2 U40.H6
N16073613: R209.2 U40.D6
N16170592: TP24.1(TP) U37.1
N16174964: C155.1 U37.26
N16174980: C156.1 U37.33
N16175044: C157.1 U37.55
N16175092: C158.1 U37.48
N16178445: C159.2 U37.41
N16181821: C161.2 U37.40
N16187781: C165.1 U37.54
N16187837: C166.1 U37.27
N16198090: C168.1 U37.32
N16198108: C169.1 U37.49
N16201458: C162.1 U36.26
N16201474: C164.1 U36.33
N16201598: C173.1 U36.55
N16201646: C174.1 U36.48
N16201832: C175.2 U36.41
N16201856: C176.2 U36.40
N16201868: C181.1 U36.27
N16201872: C177.1 U36.54
N16201892: C182.1 U36.49
N16201896: C178.1 U36.32
N16209414: C188.1 U38.26
N16209430: C189.1 U38.33
N16209554: C192.1 U38.55
N16209602: C193.1 U38.48
N16209788: C194.2 U38.41
N16209812: C195.2 U38.40
N16209824: C200.1 U38.27
N16209828: C196.1 U38.54
N16209848: C201.1 U38.49
N16209852: C197.1 U38.32
N16211890: C248.1 U39.26
N16211906: C250.1 U39.33
N16212030: C253.1 U39.55
N16212078: C254.1 U39.48
N16212264: C255.2 U39.41
N16212288: C256.2 U39.40
N16212300: C261.1 U39.27
N16212304: C257.1 U39.54
N16212324: C262.1 U39.49
N16212328: C258.1 U39.32
N16248943: R215.2 U38.11
N16248947: R214.2 U38.6
N16249235: R216.2 U39.11
N16249265: R217.2 U39.6
N16249673: R218.2 U37.11
N16249703: R219.2 U37.6
N16249898: R220.2 U36.11
N16249928: R221.2 U36.6
N16376222: C108.2 U23.B1
N16461492: C290.2 R55.1 U19.1
N16463630: C300.1 R125.2 R126.2 U11.3
N16463658: R129.1 U11.10
N16463662: C130.2 C289.1 R129.2 U23.A7
N16463686: C301.1 R133.2 R211.1 U11.2
N16463726: R130.1 U11.11
N16463730: C129.2 C289.2 R130.2 U23.A8
N16463746: C301.2 R133.1 U11.1
N16464427: C300.2 R126.1 U11.4
N16464431: C291.2 R46.1 U19.4
N16599124: C87.1 C88.2 U10.A5
N16602282: C242.1 C244.2 U23.A5
N16603218: R158.2 U23.A6

Pads without a net: J1 1 2 3 4 5 7 9 11 13 15 17 19 21 23; J2 A1 A2 A3 A4 A5 A6 A7 A8 A9 A10 A11 A12 A13 A14 A15 A16 A17 A18 A19 A20 A21 A22 A23 A24 A25 A26 A27 A28 A29 A30 A31 A32 A33 A34 A35 A36 A37 A38 A39 A40 B1 B2 B3 B4 B5 B6 B7 B8 B9 B10 B11 B12 B13 B14 B15 B16 B17 B18 B19 B20 B21 B22 B23 B24 B25 B26 B27 B28 B29 B30 B31 B32 B33 B34 B35 B36 B37 B38 B39 B40 C1 C2 C3 C4 C5 C6 C7 C8 C9 C12 C13 C16 C17 C20 C21 C22 C23 C24 C25 C26 C27 C28 C29 C30 C31 C32 C33 C36 C38 C40 D1 D2 D3 D4 D5 D6 D7 D10 D13 D16 D19 D20 D21 D22 D23 D24 D25 D26 D27 D28 D29 D30 D31 D33 D34 D37 D39 E1 E2 E3 E4 E5 E6 E7 E8 E9 E10 E11 E12 E13 E14 E15 E16 E17 E18 E19 E20 E21 E22 E23 E24 E25 E26 E27 E28 E29 E30 E31 E32 E33 E34 E35 E36 E37 E38 E40 F1 F2 F3 F4 F5 F6 F7 F8 F9 F10 F11 F12 F13 F14 F15 F16 F17 F18 F19 F20 F21 F22 F23 F24 F25 F26 F27 F28 F29 F30 F31 F32 F33 F34 F35 F36 F37 F38 F39 G1 G2 G3 G4 G5 G8 G11 G14 G17 G20 G21 G22 G23 G24 G25 G26 G27 G28 G29 G30 G31 G32 G33 G34 G35 G36 G37 G38 G40 H1 H2 H3 H6 H9 H12 H15 H18 H21 H22 H23 H24 H25 H26 H27 H28 H29 H30 H31 H32 H33 H34 H35 H36 H37 H38 H39 J1 J2 J3 J4 J5 J6 J7 J8 J9 J10 J11 J12 J13 J14 J15 J16 J17 J18 J19 J20 J21 J22 J23 J24 J25 J26 J27 J28 J29 J30 J31 J32 J33 J34 J35 J36 J37 J38 J39 J40 K1 K2 K3 K4 K5 K6 K7 K8 K9 K10 K11 K12 K13 K14 K15 K16 K17 K18 K19 K20 K21 K22 K23 K24 K25 K26 K27 K28 K29 K30 K31 K32 K33 K34 K35 K36 K37 K38 K39 K40; J3 A1 A2 A3 A4 A5 A6 A7 A8 A9 A10 A11 A12 A13 A14 A15 A16 A17 A18 A19 A20 A21 A22 A23 A24 A25 A26 A27 A28 A29 A30 A31 A32 A33 A34 A35 A36 A37 A38 A39 A40 B1 B2 B3 B4 B5 B6 B7 B8 B9 B10 B11 B12 B13 B14 B15 B16 B17 B18 B19 B20 B21 B22 B23 B24 B25 B26 B27 B28 B29 B30 B31 B32 B33 B34 B35 B36 B37 B38 B39 B40 C1 C2 C3 C4 C5 C6 C7 C8 C9 C12 C13 C16 C17 C20 C21 C24 C25 C28 C29 C30 C31 C32 C33 C36 C38 C40 D1 D2 D3 D4 D5 D6 D7 D10 D13 D16 D19 D22 D25 D28 D29 D30 D31 D33 D34 D37 D39 E1 E2 E3 E4 E5 E6 E7 E8 E9 E10 E11 E12 E13 E14 E15 E16 E17 E18 E19 E20 E21 E22 E23 E24 E25 E26 E27 E28 E29 E30 E31 E32 E33 E34 E35 E36 E37 E38 E40 F1 F2 F3 F4 F5 F6 F7 F8 F9 F10 F11 F12 F13 F14 F15 F16 F17 F18 F19 F20 F21 F22 F23 F24 F25 F26 F27 F28 F29 F30 F31 F32 F33 F34 F35 F36 F37 F38 F39 G1 G4 G5 G8 G11 G14 G17 G20 G23 G26 G29 G32 G35 G38 G40 H1 H2 H3 H6 H9 H12 H15 H18 H21 H24 H27 H30 H33 H36 H39 J1 J2 J3 J4 J5 J6 J7 J8 J9 J10 J11 J12 J13 J14 J15 J16 J17 J18 J19 J20 J21 J22 J23 J24 J25 J26 J27 J28 J29 J30 J31 J32 J33 J34 J35 J36 J37 J38 J39 J40 K1 K2 K3 K4 K5 K6 K7 K8 K9 K10 K11 K12 K13 K14 K15 K16 K17 K18 K19 K20 K21 K22 K23 K24 K25 K26 K27 K28 K29 K30 K31 K32 K33 K34 K35 K36 K37 K38 K39 K40; J4 A1 A2 A3 A4 A5 A6 AA2 AA3 AA4 AA5 AB1 AB2 AB3 AB4 AB5 AB6 AC1 AC2 AC3 AC4 AC5 AC6 B1 B2 B3 B4 B5 B6 C2 C4 C5 C6 D2 D3 D4 D5 E1 E2 E4 E5 E6 F3 F4 F5 G2 G3 G4 G5 H1 H2 H4 H5 H6 J2 J4 J5 J6 K2 K3 K4 K5 L1 L2 L4 L5 L6 M3 M4 M5 N2 N3 N4 N5 P1 P2 P4 P5 P6 R1 R2 R4 R5 R6 S1 S2 S3 S4 S5 S6 T1 T2 T3 T4 T5 T6 U2 U3 U4 U5 V1 V2 V3 V4 V5 V6 W1 W2 W3 W4 W5 W6 X1 X2 X4 X5 X6 Y1 Y2 Y3 Y4 Y5 Y6 Z1 Z2 Z3 Z4 Z5 Z6; T1 5; T2 5; U1 5 6 7 8 9 10 14 15 16 17 18 19; U9 4 9 15 20; U40 F3 F4 G6; U41 2 4 5 6 8 9 11 12; U43 2 8 13; U44 2 4 5 6 9 10 11 12